# Altium PCB master.PcbDoc (part 4 of 10) (continued)
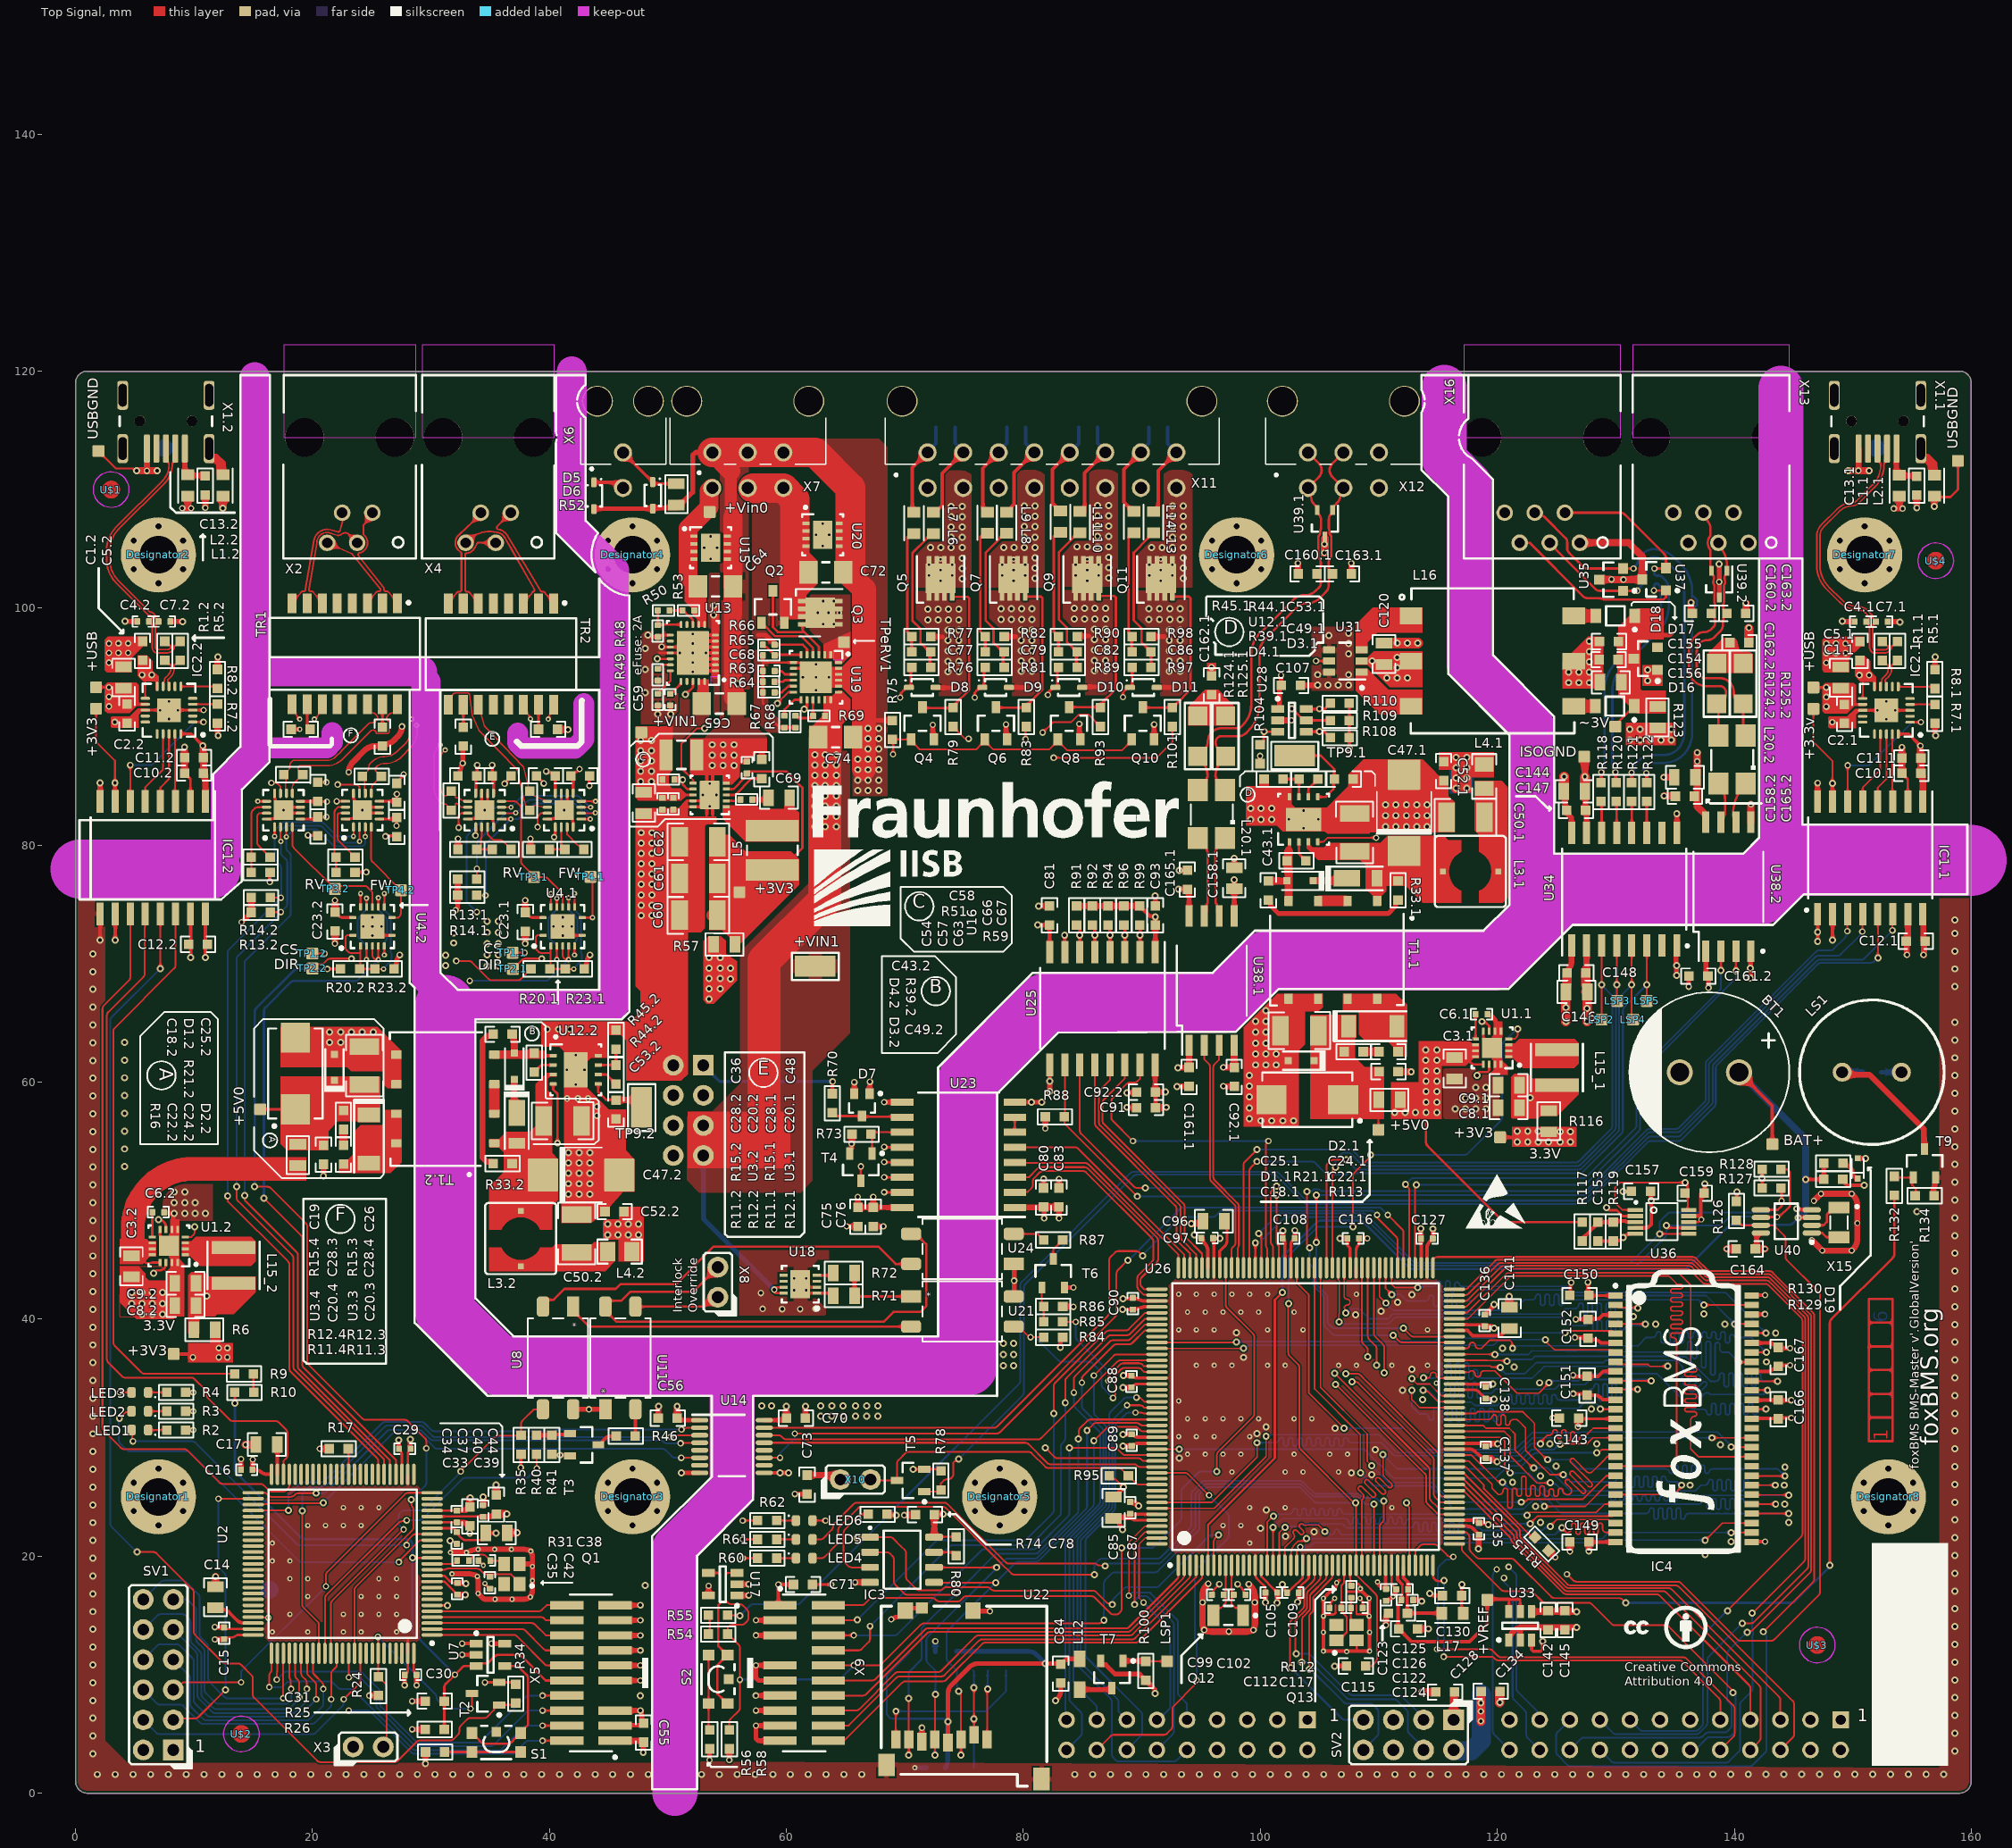
[diagram p0: Top Signal view]
## Nets (pads, with @x,y where several pads share a name; then routed paths per layer and width w, separated by ;. In a path a pad name is that pad's centre, name@x,y a point inside that pad or via, vN(x,y) a via of type N, cw(c..) or ccw(c..) an arc to the next point about the centre after c; other vN are vias at no path point) (continued)
  Inner Signal w2: 114.4,58.325 114.4,62.714 cw(c119.303,61.732) 119.222,66.732 119.303,66.733 ccw(c119.22,71.732) 122.756,68.197 125.194,70.636 cw(c128.73,67.1) 128.73,72.1 141.907,72.1 cw(c141.907,67.1) 145.443,70.636 149.441,66.637 ccw(c152.974,70.175) 152.009,65.269 152.852,65.103 cw(c151.889,60.197) 152.857,65.102 152.95,65.084 cw(c151.99,60.177) 152.968,65.08 cw(c152,60.175) 155.537,63.709 cw(c152.007,60.168) 155.544,63.702 155.585,63.661 cw(c152.049,60.126) 156.998,60.836 156.999,60.832 cw(c152.049,60.126) 157,60.827 157,60.825 157,15.5 cw(c152,15.5) 152,10.5 121.262,10.5 ccw(c121.262,5.5) SV2.1@116.31,6.19
  Bottom Signal w0.4: R137.2@152.405,60.837 LS1.1@154.105,60.837
  other v1: 111.335,57.44 112.208,57.44 113.102,57.449 114.893,57.449 113.975,58.325 114.893,58.325 113.975,59.201 114.893,59.201 113.975,60.075 114.893,60.075 113.975,60.948 114.893,60.948 113.966,61.841 114.885,61.841 113.966,62.714 114.885,62.714
+5.0V_0+: +5V0.1@109.966,55.975 C18.1.1 C22.1.1 C25.1.1 D1.1.1 D2.1.1 R21.1.1 R113.2 | length 1.5
  Top Signal w0.152: +5V0.1@109.966,55.975 109.966,57.326 110.015,57.375
  Top Signal w0.305: C18.1.1@106.988,58.508 C18.1.1@107.034,58.461
+5.0V_1: C3.2.1 R16.1 U1.2.10 U1.2.11 U1.2.12 U1.2.13 | length 18.3
  Top Signal w0.2: 5.658,45.039 ccw(c6.126,45.214) 6.221,44.723 6.495,44.776 cw(c6.59,44.285) 6.59,44.785 U1.2.13@7.128,44.785
  Top Signal w2: 4.828,45.936 4.828,45.94 ccw(c-0.169,46.097) 4.831,46.102 4.831,47.673 cw(c9.831,47.673) 5.052,49.142 5.185,49.576 cw(c6.296,49.235) 5.296,49.826 5.527,50.218 cw(c9.831,47.673) 9.831,52.673 16.9,52.673
+5.0V_1+: +5V0.1@15.585,57.706 C18.2.1 C22.2.1 C25.2.1 D1.2.1 D2.2.1 R16.2 R21.2.1 | length 3
  Top Signal w0.2: +5V0.1@15.585,57.706 C18.2.1@18.55,57.706
+9-30V_IN_1: +VIN1.1@47.752,89.514 C52.1.1 C52.2.1 C54.2 C57.2 C58.2 C63.2 C65.2 L4.1.1 L4.2.1 R51.2 SV3.3 U13.23 U13.24 U16.8 | length 8.1
  Top Signal w0.225: C65.2@52.598,91.17 52.598,93.411 52.602,93.415 U13.23@52.602,93.817 ; C65.2@53.102,91.17 U13.24@53.102,93.817
  Top Signal w0.25: 49.735,85.236 49.735,85.211 49.86,85.086 49.885,85.086 50.735,84.236 U16.8@52.121,84.236
  other v1: 44.904,47.113 45.777,47.113 46.651,47.113 47.524,47.113 44.904,48.031 45.777,48.031 46.651,48.031 47.524,48.031 116.519,84.796 117.437,84.796 47.686,85.353 48.605,85.353 116.519,85.669 117.437,85.669 47.686,86.227 48.605,86.227 116.519,86.542 117.437,86.542 47.686,87.1 48.605,87.1 116.519,87.416 117.437,87.416 47.686,87.973 48.605,87.973 47.686,88.847 48.605,88.847
+Vbat_0: BAT+.1 BT1.1 R129.2 R130.2 U26.6 U40.3 | length 103
  Top Signal w0.2: U26.6@95.572,19.234 95.572,22.623 101.219,28.269 101.219,41.626 v1(101.854,42.261)
  Top Signal w0.3: BT1.1@140.397,60.837 143.213,58.021 BAT+.1@143.213,54.758 ; v1@145.435,48.574 U40.3@146.54,48.574 ; v1(146.033,51.805) R129.2@147.556,51.805 R130.2@147.556,53.265
  Bottom Signal w0.2: v1(101.854,42.261) 101.854,45.071 cw(c102.354,45.071) 102,45.425 104.754,48.179 cw(c105.109,47.826) 105.109,48.326 108.35,48.326 cw(c108.35,47.826) 108.704,48.179 112.514,44.369 ccw(c112.867,44.723) 112.867,44.223 135.694,44.223 ccw(c135.694,44.723) 136.048,44.369 139.496,47.818 cw(c139.85,47.464) 139.85,47.964 144.618,47.964 ccw(c144.618,48.464) 144.972,48.111 145.384,48.523 v1(145.384,48.548)
  Bottom Signal w0.6: BT1.1@140.397,60.837 145.593,55.64 cw(c144.533,54.578) 146.033,54.578 v1(146.033,51.805) 146.033,49.761 cw(c144.533,49.759) 146.024,49.593 145.985,49.242 cw(c145.263,49.321) 145.673,48.721 v1@145.384,48.523
+Vdda_0: C122.1 C125.1 L17.2 U26.39 | length 7.2
  Top Signal w0.152: U26.39@112.073,19.03 U26.39@112.076,19.034
  Top Signal w0.2: U26.39@112.073,19.03 U26.39@112.073,19.234 ; C122.1@112.37,15.215 C122.1@112.395,15.24 ; C125.1@112.395,17.128 C125.1@112.446,17.178 ; C125.1@112.446,17.17 C125.1@112.446,17.178 ; C125.1@112.463,17.196 C125.1@112.446,17.178 ; L17.2@115.305,15.189 L17.2@115.316,15.189
  Top Signal w0.25: C122.1@112.395,15.24 C125.1@112.395,17.128
  Top Signal w0.3: U26.39@112.073,19.03 112.073,18.179 112.446,17.805 C125.1@112.446,17.178 ; C122.1@112.408,15.189 L17.2@115.305,15.189
+Vref_0: +VREF.1 C124.1 C126.1 U26.38 U33.5 U33.6 | length 21.1
  Top Signal w0.2: C126.1@111.725,16.132 111.745,16.132 111.895,16.282 C126.1@111.895,16.307 ; C126.1@111.963,16.332 111.963,17.628 ; 120.953,16.383 120.979,16.358 ; U33.6@120.979,15.332 120.979,16.358 ; 120.979,16.383 120.979,16.358 ; 120.98,16.358 120.979,16.358 ; 121.844,16.383 121.929,16.298 U33.5@121.929,15.332
  Top Signal w0.25: 111.608,16.015 C126.1@111.725,16.132
  Top Signal w0.3: U26.38@111.572,19.234 111.572,18.018 111.963,17.628 ; C124.1@111.608,13.868 111.608,16.015 ; C124.1@111.671,13.868 112.763,12.776 117.653,12.776 119.151,14.275 +VREF.1@119.151,16.317 ; +VREF.1@119.156,16.383 120.953,16.383 ; 120.979,16.383 121.844,16.383
AB_N: R120.2 U34.13 | length 2.6
  Top Signal w0.2: U34.13@130.071,81.033 R120.2@130.071,83.65
AB_P: R118.2 U34.14 | length 2.6
  Top Signal w0.2: U34.14@128.801,81.033 R118.2@128.801,83.633
ABEXT_N: R120.1 U37.2 X16.2 | length 32.5
  Top Signal w0.2: X16.2@125.696,108.052 130.391,108.052 cw(c130.391,107.552) 130.746,107.904 cw(c130.393,107.55) 130.748,107.902 134.077,104.573 cw(c133.725,104.218) 134.191,104.399 134.225,104.312 U37.2@134.225,103.365 ; R120.1@129.98,85.342 v2@129.98,86.145 ; v2(133.262,103.34) 134.111,103.34 134.153,103.347 ccw(c134.069,103.84) 134.207,103.359 U37.2@134.225,103.365
  Bottom Signal w0.2: v2(129.961,86.158) ccw(c129.872,86.158) 129.935,86.221 cw(c130.488,86.774) 129.705,86.774 129.705,93.08 cw(c132.245,93.08) 130.449,94.876 133.523,97.95 ccw(c131.256,100.218) 134.463,100.218 134.463,101.616 ccw(c133.336,101.616) 134.133,102.412 133.957,102.588 ccw(c133.579,102.209) 133.579,102.745 133.44,102.745 cw(c133.44,102.945) 133.298,102.803 cw(c133.44,102.945) 133.24,102.945 133.24,103.285 cw(c133.317,103.285) v2(133.262,103.34)
ABEXT_P: R118.1 U37.1 X16.5 | length 35.4
  Top Signal w0.15: v2@128.751,86.129 v2(128.779,86.158)
  Top Signal w0.2: X16.5@121.886,105.512 ccw(c121.934,106.01) 121.934,105.51 122.723,105.51 127.237,100.996 ccw(c127.59,101.35) 127.59,100.85 128.544,100.85 cw(c128.544,100.35) 128.717,100.819 128.922,100.744 ccw(c129.094,101.213) 129.093,100.713 134.013,100.713 134.225,100.925 U37.1@134.225,101.485 133.308,101.485 v2(133.217,101.479) ; R118.1@128.751,85.284 v2@128.751,86.129
  Bottom Signal w0.2: v2(128.779,86.158) cw(c128.868,86.158) 128.805,86.221 ccw(c128.252,86.774) 129.035,86.774 129.035,93.082 cw(c132.242,93.082) 129.974,95.349 133.048,98.423 ccw(c131.252,100.219) 133.792,100.219 133.792,101.614 ccw(c133.332,101.614) 133.657,101.939 133.581,102.016 ccw(c133.44,101.874) 133.44,102.074 ccw(c133.44,101.874) 133.298,102.016 ccw(c133.44,101.874) 133.24,101.874 133.24,101.533 cw(c133.162,101.533) v2(133.217,101.479)
ADC_MCU_0_CH_0: JP1.7 U26.54 | length 34.7
  Top Signal w0.152: U26.54@116.372,25.534 116.963,25.534 cw(c116.965,25.153) 117.237,25.419 121.041,21.615 cw(c120.772,21.345) 121.143,21.431 121.151,21.397 ccw(c121.522,21.482) 121.253,21.213 125.558,16.908 ccw(c125.827,17.177) 125.827,16.796 133.413,16.796 cw(c133.414,16.415) 133.686,16.682 141.24,9.128 cw(c140.971,8.858) 141.352,8.857 JP1.7@141.352,6.19
ADC_MCU_0_CH_1: JP1.8 U26.55 | length 38.7
  Top Signal w0.15: U26.55@116.372,26.034 116.966,26.034 cw(c116.967,25.659) 117.235,25.921 121.29,21.867 121.292,21.865 cw(c121.029,21.597) 121.404,21.595 121.404,21.571 ccw(c121.779,21.572) 121.514,21.307 125.664,17.157 ccw(c125.929,17.422) 125.929,17.047 133.977,17.047 cw(c133.978,16.672) 134.246,16.935 142.114,9.067 cw(c141.852,8.798) 142.227,8.797 142.227,4.68 cw(c141.852,4.68) 142.117,4.415 JP1.8@141.352,3.65
ADC_MCU_0_CH_2: JP1.5 U26.56 | length 37.2
  Top Signal w0.15: U26.56@116.372,26.534 116.966,26.534 cw(c116.967,26.159) 117.235,26.421 121.54,22.117 121.542,22.115 cw(c121.279,21.847) 121.654,21.845 121.654,21.675 ccw(c122.029,21.676) 121.764,21.41 125.768,17.407 ccw(c126.032,17.672) 126.032,17.297 134.46,17.297 cw(c134.459,16.922) 134.726,17.186 143.778,8.133 cw(c143.513,7.868) 143.782,8.129 cw(c143.517,7.864) 143.892,7.863 143.892,6.453 ccw(c144.267,6.453) JP1.5@144,6.19
ADC_MCU_0_CH_3: JP1.6 U26.57 | length 41.4
  Top Signal w0.15: U26.57@116.372,27.034 116.968,27.034 cw(c116.967,26.659) 117.234,26.922 121.792,22.364 cw(c121.527,22.099) 121.795,22.361 cw(c121.529,22.097) 121.904,22.097 121.904,21.779 ccw(c122.279,21.779) 122.014,21.514 125.871,17.657 ccw(c126.136,17.922) 126.136,17.547 135.027,17.547 cw(c135.027,17.172) 135.295,17.435 144.922,7.808 cw(c144.659,7.541) 145.034,7.541 145.034,4.947 cw(c144.659,4.947) 144.924,4.682 JP1.6@143.892,3.65
ADC_MCU_0_CH_4: JP1.10 U26.41 | length 44.7
  Top Signal w0.152: U26.41@113.073,19.234 113.073,20.316 cw(c113.453,20.316) 113.184,20.585 113.206,20.607 113.487,20.888 cw(c113.756,20.619) 113.756,20.999 114.681,20.999 cw(c114.68,20.619) 114.95,20.886 115.775,20.061 ccw(c116.044,20.33) 116.044,19.95 v2(116.276,19.95) ; v4(114.907,12.142) 119.333,12.142 cw(c119.333,11.761) 119.603,12.03 cw(c119.335,11.759) 119.605,12.027 120.063,11.57 ccw(c120.332,11.84) 120.332,11.459 135.704,11.459 ; 135.704,11.459 cw(c135.704,11.078) 135.975,11.345 139.904,7.416 cw(c139.636,7.145) 140.017,7.145 140.017,5.013 cw(c139.636,5.013) 139.906,4.744 JP1.10@138.812,3.65
  Bottom Signal w0.152: v4@114.981,12.216 114.981,17.623 ccw(c114.601,17.623) 114.98,17.656 ccw(c114.601,17.626) 114.98,17.658 114.97,17.772 cw(c115.349,17.803) 114.969,17.803 114.969,18.851 cw(c115.349,18.851) 115.08,19.12 115.578,19.618 cw(c115.847,19.35) 115.602,19.64 115.708,19.73 115.984,19.73 116.204,19.95 v2(116.276,19.95)
BMS-INTERFACE_0_GPIO_0: U26.42
BMS-INTERFACE_0_GPIO_1: U26.167
BMS-INTERFACE_0_GPIO_2: U26.168
BMS-INTERFACE_0_GPIO_3: R20.1.1 U26.162 | length 105.3
  Top Signal w0.152: v2(32.13,70.235) 33.177,70.235 cw(c33.176,69.854) 33.445,70.123 34.876,68.693 ccw(c35.145,68.962) 35.145,68.581 37.302,68.581 ccw(c37.302,68.962) 37.571,68.693 R20.1.1@38.429,69.55 ; v1(81.86,29.14) 82.618,28.381 ccw(c82.887,28.65) 82.887,28.269 89.686,28.269 cw(c89.686,27.888) 89.955,28.158 90.079,28.034 U26.162@91.072,28.034
  Inner Signal w0.152: v2@32.126,70.267 32.126,70.15 31.923,69.947 31.923,68.481 cw(c31.542,68.481) 31.811,68.211 29.957,66.357 ccw(c30.226,66.087) 29.845,66.087 29.845,38.89 ccw(c30.226,38.892) 29.956,38.623 31.767,36.812 ccw(c32.037,37.081) 32.037,36.7 54.922,36.7 cw(c54.922,36.319) 55.192,36.588 cw(c54.924,36.317) 55.194,36.585 57.951,33.828 ccw(c58.221,34.098) 58.221,33.717 77.125,33.717 cw(c77.125,33.336) 77.397,33.603 v1(81.86,29.14)
BMS-INTERFACE_0_SPI_CS: U4.1.4 U4.1.5 U26.50 | length 136.6
  Top Signal w0.15: v1(106.358,34.496) 113.875,26.978 cw(c113.612,26.711) 113.987,26.711 113.987,24.693 ccw(c114.362,24.693) 114.096,24.428 114.881,23.643 ccw(c115.146,23.909) 115.146,23.534 U26.50@116.372,23.534
  Top Signal w0.152: U4.1.4@41.115,71.485 41.115,70.725 ccw(c41.495,70.725) 41.495,70.345 v3(41.615,70.345) U4.1.5@41.615,71.485
  Inner Signal w0.15: v2(33.275,68.543) 33.276,68.542 33.283,68.526 cw(c32.943,68.368) 33.318,68.368 33.318,68.034 cw(c32.943,68.032) 33.209,67.767 31.02,65.578 ccw(c31.285,65.313) 30.91,65.313 30.91,39.329 ccw(c31.285,39.33) 31.019,39.066 32.211,37.874 ccw(c32.475,38.14) 32.475,37.765 55.365,37.765 cw(c55.365,37.39) 55.631,37.654 58.408,34.877 ccw(c58.673,35.143) 58.673,34.768 81.498,34.768 ccw(c81.498,35.143) 81.763,34.878 83.34,36.454 cw(c83.605,36.189) 83.605,36.564 88.983,36.564 cw(c88.983,36.189) 88.986,36.564 cw(c88.986,36.189) 88.989,36.564 88.993,36.564 91.827,36.564 cw(c91.825,36.189) 92.09,36.454 cw(c91.827,36.187) 92.093,36.451 93.94,34.605 ccw(c94.204,34.871) 94.204,34.496 v1(106.358,34.496)
  Bottom Signal w0.15: v2(33.275,68.543) 39.657,68.543 ccw(c39.657,68.918) 39.922,68.653 v3(41.615,70.345)
BMS-INTERFACE_0_SPI_MISO: R13.1.1 U3.1.2 U3.2.2 U26.52 | length 154.6
  Top Signal w0.15: R13.1.1@33.853,77.126 ccw(c33.5,77.252) 33.875,77.253 v2(33.875,78.025) ; U3.2.2@35.95,82.7 37.022,82.7 ccw(c37.022,83.075) 37.14,82.719 v3@37.156,82.724 ; U3.1.2@42.668,82.7 43.74,82.7 ccw(c43.74,83.075) 43.858,82.719 v3@43.874,82.724 ; v1(107.723,34.711) 108.022,34.711 cw(c108.022,34.336) 108.29,34.599 114.522,28.366 cw(c114.259,28.099) 114.634,28.099 114.634,25.239 ccw(c115.009,25.239) 114.744,24.974 115.184,24.534 U26.52@116.372,24.534
  Inner Signal w0.15: v2(33.875,78.025) 33.875,76.255 cw(c33.5,76.255) 33.765,75.99 32.865,75.09 ccw(c33.13,74.825) 32.755,74.825 32.755,70.106 cw(c32.38,70.106) 32.646,69.841 32.409,69.604 ccw(c32.675,69.34) 32.3,69.34 32.3,68.25 cw(c31.925,68.25) 32.19,67.985 30.32,66.115 ccw(c30.585,65.85) 30.21,65.85 30.21,39.039 ccw(c30.585,39.04) 30.32,38.775 31.92,37.175 ccw(c32.185,37.44) 32.185,37.065 55.077,37.065 cw(c55.075,36.69) 55.343,36.953 58.118,34.177 ccw(c58.383,34.443) 58.383,34.068 82.033,34.068 ccw(c82.033,34.443) 82.299,34.178 83.875,35.754 cw(c84.14,35.489) 84.14,35.864 88.696,35.864 cw(c88.695,35.489) 88.698,35.864 88.705,35.864 91.394,35.864 cw(c91.394,35.489) 91.659,35.754 93.971,33.443 ccw(c94.235,33.708) 94.235,33.333 106.583,33.333 ccw(c106.583,33.708) 106.848,33.443 107.613,34.208 ccw(c107.348,34.472) 107.723,34.472 v1(107.723,34.711)
  Bottom Signal w0.15: v2(33.875,78.025) 33.875,80.12 cw(c34.25,80.12) 33.985,80.385 36.216,82.616 cw(c36.48,82.35) 36.48,82.725 v3(37.157,82.725) 38.144,83.712 cw(c38.409,83.447) 38.409,83.822 42.072,83.822 cw(c42.071,83.447) 42.337,83.71 43.213,82.834 ccw(c43.478,83.1) 43.478,82.725 v3(43.875,82.725)
BMS-INTERFACE_0_SPI_MOSI: R14.1.1 U3.1.1 U3.2.1 U26.53 | length 152.5
  Top Signal w0.15: R14.1.1@33.853,75.768 ccw(c33.968,76.125) 33.968,75.75 v2(34.6,75.75) ; U3.2.1@35.95,82.2 v3(36.732,82.2) ; U3.1.1@42.668,82.2 v3(43.45,82.2) ; v1(107.222,35.402) 108.149,35.402 cw(c108.149,35.027) 108.414,35.292 cw(c108.15,35.025) 108.416,35.289 109.007,34.699 ccw(c109.272,34.964) 109.023,34.683 109.092,34.622 cw(c108.844,34.341) 109.111,34.605 114.879,28.837 cw(c114.616,28.57) 114.991,28.57 114.991,25.492 ccw(c115.366,25.492) 115.101,25.227 115.293,25.034 U26.53@116.372,25.034
  Inner Signal w0.15: v2(34.6,75.75) 33.935,75.085 cw(c33.67,75.35) 33.77,74.989 33.671,74.961 ccw(c33.771,74.6) 33.506,74.865 33.259,74.618 ccw(c33.525,74.354) 33.15,74.354 33.15,70.005 cw(c32.775,70.005) 33.04,69.74 32.76,69.46 ccw(c33.025,69.195) 32.65,69.195 32.65,68.03 cw(c32.275,68.03) 32.54,67.765 30.67,65.895 ccw(c30.935,65.63) 30.56,65.63 30.56,39.184 ccw(c30.935,39.185) 30.67,38.92 32.066,37.524 ccw(c32.33,37.79) 32.33,37.415 55.221,37.415 cw(c55.22,37.04) 55.487,37.303 cw(c55.225,37.036) 55.491,37.3 58.263,34.527 ccw(c58.528,34.793) 58.528,34.418 81.643,34.418 ccw(c81.643,34.793) 81.908,34.528 83.485,36.104 cw(c83.75,35.839) 83.75,36.214 88.838,36.214 cw(c88.838,35.839) 88.841,36.214 cw(c88.841,35.839) 88.844,36.214 88.848,36.214 91.539,36.214 cw(c91.539,35.839) 91.805,36.103 cw(c91.543,35.835) 91.809,36.099 91.905,36.003 cw(c91.394,35.489) 91.907,36.001 94.052,33.856 ccw(c94.316,34.122) 94.316,33.747 106.338,33.747 ccw(c106.338,34.122) 106.603,33.857 106.873,34.127 ccw(c106.608,34.392) 106.983,34.392 106.983,34.7 cw(c107.358,34.7) 107.093,34.965 107.112,34.984 ccw(c106.847,35.25) 107.222,35.25 v1(107.222,35.402)
  Bottom Signal w0.15: v2(34.6,75.75) ccw(c34.25,75.885) 34.625,75.886 34.625,79.938 cw(c35,79.938) 34.735,80.203 v3(36.732,82.2) 37.235,82.2 ccw(c37.235,82.575) 37.5,82.31 38.588,83.398 cw(c38.854,83.133) 38.854,83.508 41.988,83.508 cw(c41.987,83.133) 42.254,83.396 v3(43.45,82.2)
BMS-INTERFACE_0_SPI_SCK: U3.1.3 U3.2.3 U26.51 | length 150.9
  Top Signal w0.15: U3.2.3@35.95,83.2 36.601,83.2 ccw(c36.601,83.575) 36.648,83.203 cw(c36.693,82.831) 36.732,83.204 v3(36.757,83.2) v3(36.757,83.2) ; U3.1.3@42.668,83.2 43.319,83.2 ccw(c43.319,83.575) 43.367,83.203 cw(c43.411,82.831) 43.45,83.204 v3(43.475,83.2) v3(43.475,83.2) ; v1(106.272,35.428) 114.181,27.519 cw(c113.918,27.252) 114.293,27.252 114.293,24.954 ccw(c114.668,24.954) 114.402,24.69 114.948,24.143 ccw(c115.213,24.409) 115.039,24.077 115.121,24.034 U26.51@116.372,24.034
  Inner Signal w0.15: v2(33.875,74.35) 33.876,74.349 33.882,74.33 cw(c33.525,74.215) 33.9,74.217 33.9,68.119 cw(c33.525,68.119) 33.79,67.854 31.392,65.455 ccw(c31.657,65.19) 31.282,65.19 31.282,39.484 ccw(c31.657,39.484) 31.391,39.219 32.365,38.246 ccw(c32.629,38.512) 32.629,38.137 55.52,38.137 cw(c55.519,37.762) 55.786,38.025 58.562,35.25 ccw(c58.827,35.515) 58.827,35.14 81.325,35.14 ccw(c81.324,35.515) 81.589,35.25 83.143,36.804 cw(c83.409,36.539) 83.409,36.914 92.144,36.914 cw(c92.143,36.539) 92.41,36.803 93.675,35.537 ccw(c93.94,35.803) 93.94,35.428 v1(106.272,35.428)
  Bottom Signal w0.15: v2(33.875,74.35) 33.11,75.115 cw(c33.375,75.38) 33,75.38 33,80.594 cw(c33.375,80.594) 33.11,80.859 35.341,83.091 cw(c35.606,82.825) 35.606,83.2 v3(36.757,83.2) 37.601,84.044 cw(c37.866,83.779) 37.866,84.154 42.286,84.154 cw(c42.284,83.779) 42.552,84.042 43.293,83.3 ccw(c43.559,83.566) v3(43.475,83.2) v3(43.475,83.2)
BMS-INTERFACE_1_GPIO_0: U2.69
BMS-INTERFACE_1_GPIO_1: U2.70
BMS-INTERFACE_1_GPIO_2: U2.71
BMS-INTERFACE_1_GPIO_3: R20.2.1 U2.90 | length 74.3
  Top Signal w0.152: v1(15.118,51.173) 16.194,51.173 cw(c16.194,50.792) 16.465,51.06 cw(c16.196,50.79) 16.467,51.058 19.454,48.071 cw(c19.186,47.8) 19.567,47.8 19.567,36.404 ccw(c19.948,36.404) 19.678,36.134 24.201,31.611 ccw(c24.471,31.881) 24.471,31.5 27.791,31.5 cw(c27.791,31.119) 28.061,31.387 cw(c27.793,31.117) 28.063,31.385 29.487,29.962 cw(c29.219,29.691) 29.6,29.691 v2(29.6,29.101) ; U2.90@23.542,11.804 23.542,17.138 cw(c23.923,17.138) 23.654,17.407 28.425,22.178 ccw(c28.156,22.448) 28.537,22.448 28.537,23.894 ccw(c28.156,23.894) 28.459,24.125 28.428,24.166 cw(c28.731,24.396) 28.35,24.396 v1(28.35,24.775)
  Top Signal w0.2: v2(21.249,69.55) R20.2.1@22.37,69.55
  Bottom Signal w0.152: v1(28.35,24.775) 29.488,25.913 ccw(c29.219,26.183) 29.6,26.183 v2(29.6,29.101)
  Bottom Signal w0.2: v1(15.118,51.173) 15.118,65.911 cw(c15.618,65.911) 15.264,66.264 18.403,69.403 cw(c18.757,69.05) 18.757,69.55 v2(21.249,69.55)
BMS-INTERFACE_1_SPI_CS: U2.29 U4.2.4 U4.2.5 | length 57.8
  Top Signal w0.152: v1(15.893,50.21) 19.03,47.073 cw(c18.761,46.804) 19.141,46.804 19.141,36.184 ccw(c19.521,36.184) 19.252,35.915 27.043,28.125 U2.29@27.043,26.904 ; U4.2.4@25.056,71.485 25.056,70.725 ccw(c25.436,70.725) 25.436,70.345 v3(25.556,70.345) U4.2.5@25.556,71.485
  Bottom Signal w0.15: 23.754,68.543 v3(25.556,70.345)
  Bottom Signal w0.2: v1(15.893,50.21) 15.893,65.96 cw(c16.393,65.96) 16.039,66.314 18.12,68.395 cw(c18.475,68.043) 18.475,68.543 23.754,68.543 23.762,68.543
BMS-INTERFACE_1_SPI_MISO: R13.2.1 U2.31 U3.3.2 U3.4.2 | length 72
  Top Signal w0.15: U3.4.2@17.3,81.525 17.3,80.453 ccw(c17.675,80.453) v3(17.325,80.318) ; U3.3.2@23.953,81.525 23.953,80.453 ccw(c24.328,80.453) v3(23.978,80.318)
  Top Signal w0.152: v1(13.61,51.173) 13.61,50.222 ccw(c13.99,50.222) 13.722,49.953 18.282,45.393 cw(c18.013,45.125) 18.393,45.125 18.393,35.967 ccw(c18.773,35.967) 18.504,35.698 26.043,28.159 U2.31@26.043,26.904
  Top Signal w0.2: R13.2.1@16.436,74.324 16.573,74.344 cw(c16.648,73.85) 16.648,74.35 v2(17.325,74.35)
  Bottom Signal w0.152: v1(13.61,51.173) 13.61,70.403 cw(c13.99,70.403) 13.722,70.672 17.226,74.176 ccw(c16.957,74.444) v2(17.325,74.35) 17.764,74.789 ccw(c17.495,75.057) 17.875,75.057 17.875,78.543 ccw(c17.495,78.543) 17.763,78.812 17.436,79.139 cw(c17.705,79.407) 17.325,79.407 17.325,81.068 cw(c17.705,81.068) 17.436,81.336 17.614,81.514 cw(c17.882,81.245) 17.882,81.625 20.593,81.625 cw(c20.593,81.245) 20.862,81.513 cw(c20.595,81.243) 20.865,81.51 cw(c20.597,81.241) 20.866,81.509 22.064,80.311 ccw(c22.332,80.58) 22.332,80.2 23.622,80.2 ccw(c23.622,80.58) 23.783,80.236 23.904,80.292 cw(c24.065,79.948) 23.975,80.317 v3(23.978,80.318)
BMS-INTERFACE_1_SPI_MOSI: R14.2.1 U2.32 U3.3.1 U3.4.1 | length 71.4
  Top Signal w0.15: R14.2.1@16.436,75.575 ccw(c16.538,75.936) 16.538,75.561 v2(17.325,75.561) ; v3(16.8,80.743) U3.4.1@16.8,81.525 ; v3(23.453,80.745) ccw(c23.081,80.795) 23.456,80.778 23.456,80.786 U3.3.1@23.456,81.522
  Top Signal w0.152: v1(12.827,50.398) 12.827,49.971 17.936,44.861 cw(c17.667,44.592) 18.047,44.592 18.047,35.824 ccw(c18.427,35.824) 18.159,35.555 25.432,28.282 cw(c25.162,28.014) 25.445,28.268 25.542,28.16 U2.32@25.542,26.904
  Bottom Signal w0.152: v1(12.827,50.398) 12.827,70.905 cw(c13.207,70.905) 12.938,71.174 v2(17.325,75.561) ; v2@17.35,75.561 17.35,78.066 ccw(c16.97,78.068) 17.236,78.339 cw(c17.503,78.609) 17.235,78.34 16.911,78.664 cw(c17.18,78.932) 16.8,78.932 16.8,81.093 cw(c17.18,81.093) 16.911,81.361 17.388,81.838 cw(c17.657,81.57) 17.659,81.95 20.691,81.95 cw(c20.693,81.57) 20.964,81.836 21.946,80.854 ccw(c22.214,81.123) 22.214,80.743 23.414,80.743 ccw(c23.414,81.123) 23.431,80.743 v3(23.453,80.745)
BMS-INTERFACE_1_SPI_SCK: U2.30 U3.3.3 U3.4.3 | length 70.9
  Top Signal w0.15: v3@17.8,80.847 U3.4.3@17.8,81.525
  Top Signal w0.152: v1(14.277,50.423) 14.277,50.045 18.649,45.672 cw(c18.38,45.404) 18.76,45.404 18.76,36.026 ccw(c19.14,36.026) 18.872,35.757 26.542,28.086 U2.30@26.542,26.904 ; v3@17.797,80.847 U3.4.3@17.797,81.522 ; v3(24.453,80.718) ccw(c24.076,80.769) 24.456,80.77 24.456,81.482 cw(c24.836,81.482) 24.458,81.511 U3.3.3@24.46,81.533
  Bottom Signal w0.152: v1(14.277,50.423) 14.277,70.058 cw(c14.657,70.058) 14.388,70.327 18.064,74.002 ccw(c17.795,74.271) 18.175,74.271 18.175,79.069 ccw(c17.795,79.068) 18.063,79.337 17.904,79.496 cw(c18.173,79.764) 17.793,79.764 v3(17.793,80.71) 18.321,81.239 cw(c18.59,80.97) 18.59,81.35 20.212,81.35 cw(c20.211,80.97) 20.48,81.238 21.717,80.001 ccw(c21.985,80.27) 21.985,79.89 24.073,79.89 ccw(c24.073,80.27) 24.453,80.27 v3(24.453,80.718)
BOOT_0_MCU_0: R95.2 T5.3 U26.166 X10.2 | length 27.2
  Top Signal w0.152: X10.2@67.088,26.465 ccw(c67.315,26.771) 67.315,26.39 T5.3@69.347,26.39 69.347,27.842 cw(c69.728,27.842) 69.459,28.111 70.033,28.685 cw(c70.302,28.416) 70.302,28.797 80.437,28.797 cw(c80.437,28.416) 80.709,28.683 81.853,27.539 ccw(c82.122,27.809) 82.122,27.428 88.064,27.428 cw(c88.064,27.047) 88.128,27.422 88.248,27.402 R95.2@88.86,26.79 89.505,26.145 ccw(c89.774,26.415) 89.774,26.034 U26.166@91.273,26.034
BOOT_0_MCU_1: R24.2 T2.3 U2.94 X3.2 | length 21.5
  Top Signal w0.152: v4(25.521,13.191) v4(25.521,13.191) v4@25.529,13.168 ; v4@25.529,13.168 cw(c25.161,13.066) 25.542,13.066 U2.94@25.542,11.804 25.542,10.203 cw(c25.178,10.093) 25.559,10.093 R24.2@25.559,9.835 26.171,9.223 26.178,9.214 cw(c25.894,8.961) 26.275,8.961 26.275,4.215 26.168,4.104 cw(c25.894,4.368) 26.163,4.099 X3.2@25.97,3.905 ; v4(33.337,7.13) 33.346,7.138 ccw(c33.076,7.408) 33.457,7.408 T2.3@33.457,8.4
  Bottom Signal w0.152: v4(25.521,13.191) 30.366,8.346 cw(c30.098,8.076) 30.368,8.344 cw(c30.099,8.075) 30.48,8.082 30.48,8.074 ccw(c30.861,8.082) 30.592,7.812 31.162,7.242 ccw(c31.432,7.511) 31.432,7.13 v4(33.337,7.13)
C\S\_\F\W\_1: TP4.1.1 U3.1.4 U4.1.8 | length 16.3
  Top Signal w0.152: U3.1.4@42.668,83.7 v3(43.883,83.7) ; U4.1.8@42.765,73.885 v3(43.63,73.885) 43.63,77.088 ccw(c43.25,77.088) 43.573,77.289 43.565,77.3 TP4.1.1@43.564,77.301
  Inner Signal w0.152: v3(43.63,73.885) 44.539,74.794 ccw(c44.27,75.063) 44.65,75.063 44.65,83.253 ccw(c44.27,83.253) 44.538,83.522 44.472,83.588 ccw(c44.203,83.32) 44.203,83.7 v3(43.883,83.7)
C\S\_\F\W\_2: TP4.2.1 U3.3.4 U4.2.8 | length 9.3
  Top Signal w0.152: U3.3.4@24.953,81.525 24.953,78.863 ccw(c25.333,78.863) 25.064,78.595 TP4.2.1@27.459,76.2 27.459,74.265 cw(c27.079,74.265) 27.407,74.073 27.376,74.021 27.241,73.885 U4.2.8@26.706,73.885
C\S\_\R\V\_1: TP3.1.1 U3.2.4 U4.1.11 | length 12.2
  Top Signal w0.152: U3.2.4@35.95,83.7 37.007,83.7 cw(c37.007,83.32) 37.277,83.587 cw(c37.01,83.318) 37.279,83.586 37.488,83.377 cw(c37.22,83.107) 37.6,83.107 37.6,78.634 ccw(c37.98,78.634) 37.711,78.365 38.775,77.301 39.582,77.301 cw(c39.582,76.921) 39.851,77.189 41.002,76.038 cw(c40.735,75.768) 41.115,75.768 U4.1.11@41.115,74.785
C\S\_\R\V\_2: TP3.2.1 U3.4.4 U4.2.11 | length 11.4
  Top Signal w0.152: U3.4.4@18.3,81.525 18.3,80.053 ccw(c18.68,80.053) 18.411,79.785 TP3.2.1@21.896,76.3 22.034,76.438 cw(c22.303,76.17) 22.057,76.459 22.164,76.55 24.399,76.55 cw(c24.399,76.17) 24.669,76.437 cw(c24.401,76.168) 24.67,76.436 24.944,76.162 cw(c24.676,75.893) 25.056,75.893 U4.2.11@25.056,74.785
CAN_0_MCU_1_RX: SV1.4 U2.91 | length 23.1
  Top Signal w0.152: v4(22.625,7.925) 23.931,9.231 ccw(c23.662,9.5) 24.043,9.5 U2.91@24.043,11.604
  Bottom Signal w0.152: SV1.4@5.715,6.19 6.864,5.041 6.949,5.012 ccw(c7.071,5.373) 7.071,4.992 20.009,4.992 ccw(c20.009,5.373) 20.279,5.104 22.513,7.338 ccw(c22.244,7.608) 22.625,7.608 v4(22.625,7.925)
CAN_0_MCU_1_TX: SV1.3 U2.52 | length 24.5
  Top Signal w0.152: SV1.3@8.255,6.19 8.257,6.192 cw(c8.526,5.924) 8.526,6.304 10.089,6.304 ccw(c10.089,6.684) 10.357,6.415 v1(12.672,8.73) ; v4(12.065,24.849) 14.733,24.849 ccw(c14.733,25.23) U2.52@14.792,24.854
  Bottom Signal w0.152: v4(12.065,24.849) 12.065,19.215 ccw(c12.446,19.215) 12.177,18.946 12.559,18.564 cw(c12.291,18.292) 12.672,18.292 v1(12.672,8.73)
CAN_0_N: C163.1.1 L20.1.2 R125.1.1 U39.1.1 X12.2 X12.5 | length 36.3
  Top Signal w0.2: L20.1.2@97.025,84.65 96.382,85.293 cw(c96.641,85.552) 96.275,85.552 96.275,85.657 ccw(c96.165,85.657) 96.243,85.736 cw(c96.321,85.814) 96.21,85.814 cw(c98.203,85.814) 96.794,87.223 R125.1.1@97.068,87.497 96.429,88.136 cw(c96.913,88.62) 96.228,88.62 96.228,88.697 cw(c96.728,88.697) 96.375,89.05 cw(c96.728,88.697) 96.728,89.197 98.15,89.197 ccw(c98.15,90.119) 98.803,89.467 98.967,89.632 ccw(c96.7,91.9) 99.907,91.9 99.907,96.151 cw(c101.702,96.151) 100.432,97.42 103.027,100.014 cw(c104.005,99.036) 104.005,100.419 ccw(c104.005,101.803) 104.983,100.825 105.519,101.36 ccw(c104.928,101.951) 105.763,101.951 105.763,102.281 cw(c105.803,102.281) 105.775,102.309 105.775,102.325 cw(c106.415,102.325) 105.962,102.777 C163.1.1@106.075,102.89 105.921,103.044 cw(c106.275,103.397) 105.92,103.045 105.869,103.096 cw(c106.011,103.237) 105.82,103.177 105.798,103.247 cw(c106.275,103.397) 105.775,103.388 105.775,103.397 ccw(c105.275,103.388) 105.773,103.427 105.765,103.54 cw(c106.263,103.578) 105.763,103.578 105.763,103.86 cw(c106.263,103.86) 105.822,104.095 105.846,104.14 cw(c106.023,104.046) 105.895,104.2 ccw(c105.75,104.375) 105.977,104.375 105.977,105.998 ccw(c105.75,105.998) 105.94,106.123 cw(c106.357,106.398) 105.938,106.126 105.889,106.2 cw(c106.057,106.309) 105.857,106.309 105.857,106.398 105.857,106.435 ccw(c105.63,106.435) 105.833,106.537 cw(c106.28,106.761) 105.78,106.761 105.78,107.513 cw(c106.317,107.513) 105.937,107.893 ccw(c105.557,108.273) 106.095,108.273 U39.1.1@106.095,108.275 cw(c106.638,108.275) 106.254,108.659 106.501,108.906 ccw(c105.882,109.524) 106.757,109.524 106.757,109.528 cw(c107.622,109.528) X12.5@107.01,110.14 106.083,111.068 cw(c106.655,111.64) 105.845,111.64 cw(c106.655,111.64) 106.083,112.212 X12.2@107.01,113.14